# Altium PCB n21-dvt.PcbDoc (part 1 of 3) (continued)
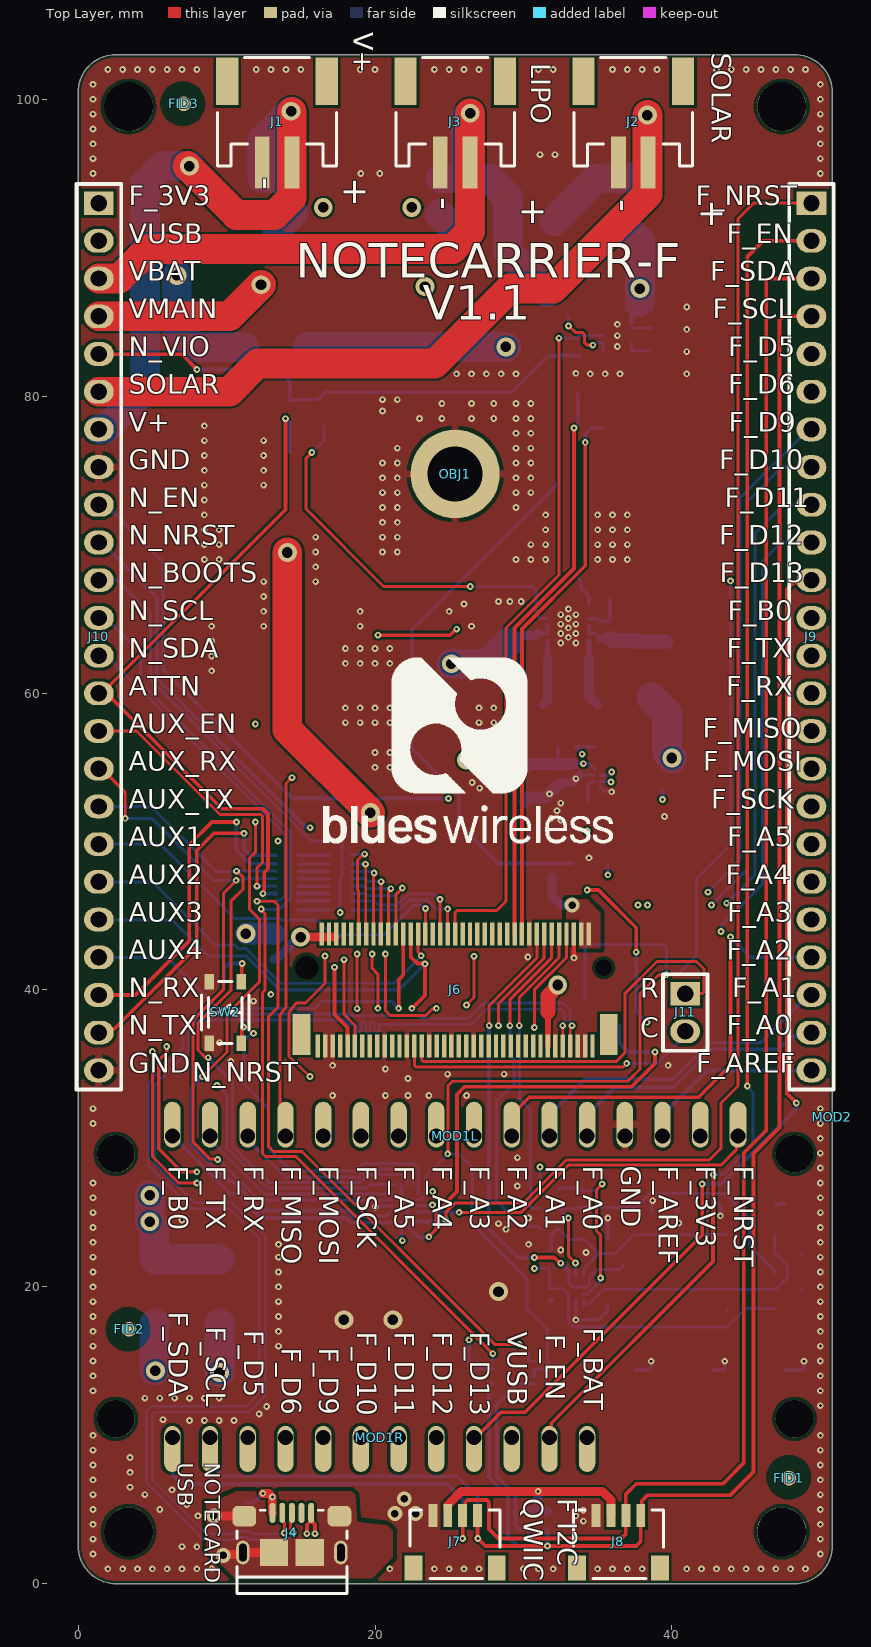
[diagram p0: Top Layer view]
## Part data (continued)
J9: library part SIDECON, "24x1 0.1\" pitch half height female header", Supplier Part Number 1=SAM1085-24-ND, PN=DNM, Supplier 1=Digi-Key
J10: library part SIDECON_N, "24x1 0.1\" pitch half height female header", Supplier Part Number 1=SAM1085-24-ND, PN=DNM, Supplier 1=Digi-Key
J11: "0,1\" 2 PIN Header"
L1: "Power inductor, shielded, 20% tol, SMT, RoHS, halogen free", Manufacturer 1=Coilcraft, Package=None, Availability=Unavailable, Manufacturer Part Number 1=XFL4020-222MEC, MF="{'manufacturer': u'Coilcraft'}", Price=None
L2: library part VCHA042A-1R5MS6, "Fixed Ind 1.5UH 7.3A 15.4 Mohm", Manufacturer=Cyntec, Supplier Part Number 1=2037-VCHA042A-1R5MS6CT-ND, Category="Fixed Inductors", Manufacturer Part Number=VCHA042A-1R5MS6, Pricing 1="1=1.40000, 10=1.29600, 25=1.19640, 50=0.99680, 100=0.93710, 250=0.83736, 500=0.71776, 1000=0.63800 (USD)", RoHS=Yes, Stock 1=1541, Supplier 1=Digi-Key
L3: "Inductor Power Shielded Wirewound 2.2uH 20% 1MHz Metal 1.2A 0.204Ohm DCR 0806 T/R", Case Code (Imperial)=0805, Case Code (Metric)=2012, Current Rating=1.5A, DC Resistance (DCR)=204mR, Inductance=2.2uH, Manufacturer=Murata, Manufacturer Part Number=1285AS-H-2R2M=P2, Max DC Current=1.2A, Max Operating Temperature=85°C, Min Operating Temperature=-40°C, Resistor Type="Wirewound,Metal Alloy", Supplier Part Number 1=490-10600-1-ND, Test Frequency=1MHz, Tolerance=20%, Case/Package=0805, Category="Fixed Inductors", ComponentLink1Description=http://www.toko.co.jp/products/pdf/inductors/dfe201610c.pdf?src-supplier=Avnet, ComponentLink1URL=http://www.toko.co.jp/products/pdf/inductors/dfe201610c.pdf?src-supplier=Avnet, ComponentLink2Description=https://www.murata.com/~/media/webrenewal/products/inductor/chip/tokoproducts/wirewoundmetalalloychiptype/m_dfe201610c.ashx?src-supplier=Digi-Key, ComponentLink2URL=https://www.murata.com/~/media/webrenewal/products/inductor/chip/tokoproducts/wirewoundmetalalloychiptype/m_dfe201610c.ashx?src-supplier=Digi-Key, Core Material=Ferrite, Depth=1.6mm, Height - Seated (Max)=0.039inch, Length=0.079inch, Mount="Surface Mount", Packaging="Tape and Reel", Pricing 1="1=0.40000, 10=0.35300, 25=0.30920, 50=0.26500, 100=0.24280, 250=0.22076, 500=0.20752, 1000=0.15895 (USD)", RoHS=Yes, RoHS Compliant=Yes, Shielding=Shielded, Stock 1=2212, Supplier 1=Digi-Key, Width=0.063inch
MOD1L: library part SOCKET_LFB_16, "Socket 16-Pin, 0.100 in"
MOD1R: library part SOCKET_LFB_12, "Socket 12-Pin, 0.100 in"
MOD2: library part ADAFRUIT_FEATHER_COMMON_1, "Typical Adafruit Feather Pinout"
OBJ1: library part "DISTANZIALE - M2.5x0250", "DISTANZ. CIL. METALLO 5.1X2.5 9774025151R W.E SMT", Supplier Part Number 1=732-7078-1-ND, Caratteristiche=M2.5, Database=44635, Distributor=FAE, Famiglia=MECCANICA, Modello=DISTANZIALE, PCB Footprint=DIST-WASMSIM0250, Pkg Type=SMD, Price Distributor Cad=0,6225, Supplier 1=Digi-Key
R1: library part CRGP0402F10K, "RES 10K OHM 1% 1/8W 0402", Device Package="0402 (1005 Metric)", Manufacturer="TE Connectivity Passive Product", Operating Temperature="-55°C ~ 155°C", Power (Watts)="0.125W, 1/8W", Supplier Device Package=0402, Supplier Part Number 1=A130367CT-ND, Temperature Coefficient=±100ppm/°C, Tolerance=±1%, ComponentLink1Description=Datasheet, ComponentLink1URL=https://www.te.com/commerce/DocumentDelivery/DDEController?Action=srchrtrv&DocNm=9-1773463-9&DocType=DS&DocLang=English, ComponentLink2Description="DigiKey Link", ComponentLink2URL=https://www.digikey.com/en/products/detail/te-connectivity-passive-product/CRGP0402F10K/8576969, Composition="Thick Film", Features="Pulse Withstanding", Height - Seated (Max)="0.016\" (0.40mm)", LastUpdated="3/13/2022 5:31:04 AM", Lifecycle Status=Active, Minimum Order=1, Number of Terminations=2, Package / Case="0402 (1005 Metric)", Packaging=TapeAndReel, Part Number=CRGP0402F10K, Part Status=Active, PartId=6238, Price=0.01, Resistance="10 kOhms", Series=CRGP, Size / Dimension="0.043\" L x 0.020\" W (1.10mm x 0.50mm)", Supplier 1=DigiKey
R2 R4 R11 R12: library part RC1005F103CS, "Res Thick Film 0402 10K Ohm 1% 1/16W ±100ppm/°C Molded SMD SMD T/R", Case Code (Imperial)=0402, Case Code (Metric)=1005, Manufacturer=Samsung, Max Operating Temperature=155°C, Max Power Dissipation=63mW, Min Operating Temperature=-55°C, Package Quantity=1, Resistance=10kR, Resistor Type="Thick Film", Supplier Part Number 1=1276-3431-2-ND, Temperature Coefficient=100ppm/°C, Tolerance=1%, Case/Package=0402, Category="Chip SMD Resistors", ComponentLink1Description=https://datasheet.ciiva.com/15196/getdatasheetpartid-504789-15196214.pdf?src-supplier=Verical, ComponentLink1URL=https://datasheet.ciiva.com/15196/getdatasheetpartid-504789-15196214.pdf?src-supplier=Verical, ComponentLink2Description=https://datasheet.ciiva.com/16481/rcseries-16481007.pdf?src-supplier=Future+Electronics, ComponentLink2URL=https://datasheet.ciiva.com/16481/rcseries-16481007.pdf?src-supplier=Future+Electronics, Construction=Rectangular, Contact Plating=Tin, Depth=0.5mm, Features="Moisture Resistant", Height=0.016inch, Length=0.039inch, Manufacturer Part Number=RC1005F103CS, Military Standard=Not, Mount="Surface Mount", Number of Terminations=2, Packaging="Tape and Reel", Power Rating=63mW, Pricing 1="10000=0.00695 (USD)", Radiation Hardening=No, RoHS=Yes, RoHS Compliant=Yes, Series=RC, Size Code=0402, Stock 1=58620569, Supplier 1=Digi-Key, Width=0.02inch
R3: library part RC0402FR-07470RL, "Res Thick Film 0402 470 Ohm 1% 0.063W(1/16W) ±100ppm/C Pad SMD T/R", Case Code (Imperial)=0402, Case Code (Metric)=1005, Manufacturer=Yageo, Max Operating Temperature=155°C, Max Power Dissipation=63mW, Min Operating Temperature=-55°C, Package Quantity=1, Power Rating=62.5mW, Resistance Tolerance=1%, Resistor Type="Thick Film", Supplier Part Number 1=311-470LRTR-ND, Temperature Coefficient=100ppm/°C, Voltage Rating=50V, Case/Package=0402, Category="Chip SMD Resistors", ComponentLink1Description=https://datasheet.ciiva.com/2453/pyu-r-int-thick-7-2453376.pdf?src-supplier=Digi-Key, ComponentLink1URL=https://datasheet.ciiva.com/2453/pyu-r-int-thick-7-2453376.pdf?src-supplier=Digi-Key, ComponentLink2Description=https://datasheet.ciiva.com/2453/pyu-r-int-thick-7-2453377.pdf?src-supplier=Digi-Key, ComponentLink2URL=https://datasheet.ciiva.com/2453/pyu-r-int-thick-7-2453377.pdf?src-supplier=Digi-Key, ComponentLink3Description=https://datasheet.ciiva.com/2453/pyu-r-int-thick-7-2453378.pdf?src-supplier=Digi-Key, ComponentLink3URL=https://datasheet.ciiva.com/2453/pyu-r-int-thick-7-2453378.pdf?src-supplier=Digi-Key, ComponentLink4Description=https://datasheet.ciiva.com/15189/getdatasheetpartid-330246-15189463.pdf?src-supplier=Verical, ComponentLink4URL=https://datasheet.ciiva.com/15189/getdatasheetpartid-330246-15189463.pdf?src-supplier=Verical, ComponentLink5Description=https://datasheet.ciiva.com/46412/1018594-46412838.pdf?src-supplier=Element14, ComponentLink5URL=https://datasheet.ciiva.com/46412/1018594-46412838.pdf?src-supplier=Element14, ComponentLink6Description=https://datasheet.ciiva.com/7850/1018594-7850014.pdf?src-supplier=Element14, ComponentLink6URL=https://datasheet.ciiva.com/7850/1018594-7850014.pdf?src-supplier=Element14, ComponentLink7Description=https://datasheet.ciiva.com/7850/1018594-7850015.pdf?src-supplier=Element14, ComponentLink7URL=https://datasheet.ciiva.com/7850/1018594-7850015.pdf?src-supplier=Element14, Construction=Rectangular, Depth=0.5mm, Features="Moisture Resistant", Height=0.016inch, Lead Free="Lead Free", Length=1mm, Manufacturer Part Number=RC0402FR-07470RL, Military Standard=Not, Number of Terminations=2, Packaging="Tape and Reel", Pricing 1="10000=0.00186 (USD)", REACH SVHC=Unknown, Resistance=470R, RoHS=Yes, RoHS Compliant=Yes, Series=RC, Size Code=0402, Stock 1=4221525, Supplier 1=Digi-Key, Termination=SMD/SMT, Tolerance=1%, Width=0.02inch
R5: library part RC1206FR-071ML, "Res Thick Film 1206 1M Ohm 1% 0.25W(1/4W) ±100ppm/C Pad SMD T/R", Case Code (Imperial)=1206, Case Code (Metric)=3216, Manufacturer=Yageo, Max Operating Temperature=155°C, Max Power Dissipation=250mW, Min Operating Temperature=-55°C, Package Quantity=5000, Resistance=1MR, Resistance Tolerance=1%, Resistor Type="Thick Film", Supplier Part Number 1=311-1.00MFRTR-ND, Temperature Coefficient=100ppm/°C, Voltage Rating=200V, Case/Package=1206, Category="Chip SMD Resistors", ComponentLink1Description=https://datasheet.ciiva.com/11819/0900766b80c6630a-11819912.pdf?src-supplier=RSComponents, ComponentLink1URL=https://datasheet.ciiva.com/11819/0900766b80c6630a-11819912.pdf?src-supplier=RSComponents, ComponentLink2Description=https://datasheet.ciiva.com/17033/pyu-rc1206-51-rohs-l-4-17033611.pdf?src-supplier=Future+Electronics, ComponentLink2URL=https://datasheet.ciiva.com/17033/pyu-rc1206-51-rohs-l-4-17033611.pdf?src-supplier=Future+Electronics, ComponentLink3Description=https://datasheet.ciiva.com/7857/444357-7857288.pdf?src-supplier=Element14, ComponentLink3URL=https://datasheet.ciiva.com/7857/444357-7857288.pdf?src-supplier=Element14, ComponentLink4Description=https://datasheet.ciiva.com/7857/444357-7857289.pdf?src-supplier=Element14, ComponentLink4URL=https://datasheet.ciiva.com/7857/444357-7857289.pdf?src-supplier=Element14, ComponentLink5Description=https://datasheet.ciiva.com/46445/444357-46445709.pdf?src-supplier=Element14, ComponentLink5URL=https://datasheet.ciiva.com/46445/444357-46445709.pdf?src-supplier=Element14, Construction=Rectangular, Depth=1.6mm, Features="Moisture Resistant", Height=0.55mm, Lead Free="Lead Free", Length=3.1mm, Manufacturer Part Number=RC1206FR-071ML, Military Standard=Not, Number of Terminations=2, Packaging="Tape and Reel", Power Rating=250mW, Pricing 1="5000=0.00970 (USD)", REACH SVHC=Unknown, RoHS=Yes, RoHS Compliant=Yes, Series=RC, Size Code=1206, Stock 1=1941274, Supplier 1=Digi-Key, Technology="THICK FILM", Termination=SMD/SMT, Tolerance=1%, Width=1.6mm
R6: library part PFR05S-153-FNH, "Res SMD 15 Kohm 1% 1/16W 0402", Manufacturer=Cyntec, Supplier Part Number 1=2037-PFR05S-153-FNHCT-ND, Category="Chip SMD Resistors", Manufacturer Part Number=PFR05S-153-FNH, Pricing 1="1=0.10000, 10=0.01500, 100=0.00590, 1000=0.00265, 2500=0.00230, 5000=0.00190 (USD)", RoHS=Yes, RoHS Compliant=Yes, Stock 1=3928, Supplier 1=Digi-Key
R7 R8 R9: library part RC0402FR-0722RL, "Res Thick Film 0402 22 Ohm 1% 0.063W(1/16W) ±100ppm/C Pad SMD T/R", Case Code (Imperial)=0402, Case Code (Metric)=1005, Manufacturer=Yageo, Max Operating Temperature=155°C, Max Power Dissipation=63mW, Min Operating Temperature=-55°C, Resistance Tolerance=1%, Resistor Type="Thick Film", Supplier Part Number 1=311-22.0LRCT-ND, Temperature Coefficient=100ppm/°C, Voltage Rating=50V, Case/Package=0402, Category="Chip SMD Resistors", ComponentLink1Description=https://datasheet.ciiva.com/11819/0900766b80c66297-11819462.pdf?src-supplier=RSComponents, ComponentLink1URL=https://datasheet.ciiva.com/11819/0900766b80c66297-11819462.pdf?src-supplier=RSComponents, ComponentLink2Description=https://datasheet.ciiva.com/16930/pyu-rc0402-51-rohs-l-6-r-16930687.pdf?src-supplier=Future+Electronics, ComponentLink2URL=https://datasheet.ciiva.com/16930/pyu-rc0402-51-rohs-l-6-r-16930687.pdf?src-supplier=Future+Electronics, ComponentLink3Description=https://datasheet.ciiva.com/7849/1018594-7849911.pdf?src-supplier=Element14, ComponentLink3URL=https://datasheet.ciiva.com/7849/1018594-7849911.pdf?src-supplier=Element14, ComponentLink4Description=https://datasheet.ciiva.com/7849/1018594-7849912.pdf?src-supplier=Element14, ComponentLink4URL=https://datasheet.ciiva.com/7849/1018594-7849912.pdf?src-supplier=Element14, ComponentLink5Description=https://datasheet.ciiva.com/26829/getdatasheetpartid-554995-26829991.pdf?src-supplier=Verical, ComponentLink5URL=https://datasheet.ciiva.com/26829/getdatasheetpartid-554995-26829991.pdf?src-supplier=Verical, Construction=Rectangular, Depth=0.5mm, Features="Moisture Resistant", Height=0.32mm, Lead Free="Lead Free", Length=1mm, Manufacturer Part Number=RC0402FR-0722RL, Military Standard=Not, Number of Pins=2, Number of Terminations=2, Packaging="Tape and Reel", Power Rating=63mW, Pricing 1="1=0.10000, 10=0.01600, 100=0.00660, 1000=0.00299, 2500=0.00259, 5000=0.00214 (USD)", REACH SVHC=Unknown, Resistance=22R, RoHS=Yes, RoHS Compliant=Yes, Series=RC, Size Code=0402, Stock 1=1796, Supplier 1=Digi-Key, Technology="THICK FILM", Termination=SMD/SMT, Tolerance=1%, Voltage Rating (DC)=50V, Width=0.5mm
R13: library part AC0402FR-071M1L, "Res Thick Film 0402 1.1M Ohm 1% 0.063W(1/16W) ±100ppm/C Pad SMD Automotive T/R", Case Code (Imperial)=0402, Case Code (Metric)=1005, Manufacturer=Yageo, Max Operating Temperature=155°C, Max Power Dissipation=63mW, Min Operating Temperature=-55°C, Power Rating=62.5mW, Resistance=1.1MR, Resistor Type="Thick Film", Supplier Part Number 1=YAG5647CT-ND, Temperature Coefficient=100ppm/°C, Tolerance=1%, Voltage Rating=50V, Case/Package=0402, Category="Chip SMD Resistors", ComponentLink1Description=http://www.mouser.com/ds/2/447/yageodocoutput-1111992.pdf?src-supplier=Mouser, ComponentLink1URL=http://www.mouser.com/ds/2/447/yageodocoutput-1111992.pdf?src-supplier=Mouser, ComponentLink2Description=http://www.yageo.com/NewPortal/yageodocoutput?fileName=/pdf/R-Chip/PYu-AC_51_RoHS_L_6.pdf&src-supplier=Digi-Key, ComponentLink2URL=http://www.yageo.com/NewPortal/yageodocoutput?fileName=/pdf/R-Chip/PYu-AC_51_RoHS_L_6.pdf&src-supplier=Digi-Key, Features="Moisture Resistant,Automotive AEC-Q200", Height=0.015inch, Length=0.039inch, Manufacturer Part Number=AC0402FR-071M1L, Number of Terminations=2, Packaging="Tape and Reel", Pricing 1="1=0.10000, 10=0.02200, 100=0.00900, 1000=0.00402, 2500=0.00349, 5000=0.00288 (USD)", RoHS=Yes, RoHS Compliant=Yes, Series=AC, Stock 1=15284, Supplier 1=Digi-Key, Termination=SMD/SMT, Width=0.5mm
R14: library part RC0402FR-07180KL, "Res Thick Film 0402 180K Ohm 1% 1/16W +/-100ppm/ßC Molded SMD Paper T/R", Case Code (Imperial)=0402, Case Code (Metric)=1005, Manufacturer=Yageo, Max Operating Temperature=155°C, Max Power Dissipation=63mW, Min Operating Temperature=-55°C, Resistance=180kR, Resistance Tolerance=1%, Resistor Type="Thick Film", Supplier Part Number 1=311-180KLRTR-ND, Temperature Coefficient=100ppm/°C, Voltage Rating=50V, Case/Package=0402, Category="Chip SMD Resistors", ComponentLink1Description=https://datasheet.ciiva.com/12656/pyu-rc0402-51-rohs-l-6-r-12656911.pdf?src-supplier=Mouser, ComponentLink1URL=https://datasheet.ciiva.com/12656/pyu-rc0402-51-rohs-l-6-r-12656911.pdf?src-supplier=Mouser, ComponentLink2Description=https://datasheet.ciiva.com/17025/pyu-rc0402-51-rohs-l-6-r-17025693.pdf?src-supplier=Future+Electronics, ComponentLink2URL=https://datasheet.ciiva.com/17025/pyu-rc0402-51-rohs-l-6-r-17025693.pdf?src-supplier=Future+Electronics, ComponentLink3Description=https://datasheet.ciiva.com/7849/1018594-7849851.pdf?src-supplier=Element14, ComponentLink3URL=https://datasheet.ciiva.com/7849/1018594-7849851.pdf?src-supplier=Element14, ComponentLink4Description=https://datasheet.ciiva.com/7849/1018594-7849852.pdf?src-supplier=Element14, ComponentLink4URL=https://datasheet.ciiva.com/7849/1018594-7849852.pdf?src-supplier=Element14, ComponentLink5Description=https://datasheet.ciiva.com/7983/1018594-7983497.pdf?src-supplier=Element14, ComponentLink5URL=https://datasheet.ciiva.com/7983/1018594-7983497.pdf?src-supplier=Element14, Construction=Rectangular, Depth=0.5mm, Features="Moisture Resistant", Lead Free="Lead Free", Length=1mm, Manufacturer Part Number=RC0402FR-07180KL, Military Standard=Not, Number of Terminations=2, Packaging="Tape and Reel", Power Rating=63mW, Pricing 1="10000=0.00186 (USD)", REACH SVHC=Unknown, RoHS=Yes, RoHS Compliant=Yes, Series=RC, Size Code=0402, Stock 1=959378, Supplier 1=Digi-Key, Termination=SMD/SMT, Tolerance=1%
R16: library part RC0402JR-0710ML, "RES 10M OHM 5% 1/16W 0402", Device Package="0402 (1005 Metric)", Manufacturer=Yageo, Operating Temperature="-55°C ~ 155°C", Power (Watts)="0.063W, 1/16W", Supplier Device Package=0402, Supplier Part Number 1=311-10MJRCT-ND, Temperature Coefficient=±100ppm/°C, Tolerance=±5%, ComponentLink1Description=Datasheet, ComponentLink1URL=https://www.yageo.com/upload/media/product/productsearch/datasheet/rchip/PYu-RC_Group_51_RoHS_L_10.pdf, ComponentLink2Description="DigiKey Link", ComponentLink2URL=https://www.digikey.com/en/products/detail/yageo/RC0402JR-0710ML/2827649, Composition="Thick Film", Features="Moisture Resistant", Height - Seated (Max)="0.016\" (0.40mm)", LastUpdated="3/13/2022 5:31:07 AM", Lifecycle Status=Active, Minimum Order=1, Number of Terminations=2, Package / Case="0402 (1005 Metric)", Packaging=CutTape, Part Number=RC0402JR-0710ML, Part Status=Active, PartId=4818, Price=0.01, Resistance="10 MOhms", Series=RC_L, Size / Dimension="0.039\" L x 0.020\" W (1.00mm x 0.50mm)", Supplier 1=DigiKey
R17: library part RMCF0402FT82K0, "RES 82K OHM 1% 1/16W 0402", Device Package="0402 (1005 Metric)", Manufacturer="Stackpole Electronics Inc", Operating Temperature="-55°C ~ 155°C", Power (Watts)="0.063W, 1/16W", Ratings=AEC-Q200, Supplier Device Package=0402, Supplier Part Number 1=RMCF0402FT82K0CT-ND, Temperature Coefficient=±100ppm/°C, Tolerance=±1%, ComponentLink1Description=Datasheet, ComponentLink1URL=https://www.seielect.com/catalog/sei-rmcf_rmcp.pdf, ComponentLink2Description="DigiKey Link", ComponentLink2URL=https://www.digikey.com/en/products/detail/stackpole-electronics-inc/RMCF0402FT82K0/1761664, Composition="Thick Film", Features="Automotive AEC-Q200", Height - Seated (Max)="0.016\" (0.40mm)", LastUpdated="3/13/2022 5:30:53 AM", Lifecycle Status=Active, Minimum Order=1, Number of Terminations=2, Package / Case="0402 (1005 Metric)", Packaging=CutTape, Part Number=RMCF0402FT82K0, Part Status=Active, PartId=9283, Price=0.01, Resistance="82 kOhms", Series=RMCF, Size / Dimension="0.039\" L x 0.020\" W (1.00mm x 0.50mm)", Supplier 1=DigiKey
RR1 RR2: "RES ARRAY 8 RES 100 OHM 1506", Manufacturer="CTS Resistor Products", Number of Resistors=8, Operating Temperature="-55°C ~ 125°C", Package / Case="1506, Convex, Long Side Terminals", Power Per Element=62.5mW, Resistance (Ohms)=100, Supplier Part Number 1=741X163101JPCT-ND, Temperature Coefficient=±200ppm/°C, Tolerance=±5%, Circuit Type=Isolated, ComponentLink1Description=Datasheet, ComponentLink1URL=https://www.ctscorp.com/wp-content/uploads/74x.pdf, ComponentLink2Description="DigiKey Link", ComponentLink2URL=http://digikey.com/product-detail/en/cts-resistor-products/741X163101JP/741X163101JPCT-ND/1124597, Height - Seated (Max)="0.022\" (0.55mm)", LastUpdated="9/2/2020 1:23:29 AM", Lifecycle Status=Active, Minimum Order=1, Mounting Type="Surface Mount", Number of Pins=16, Packaging=TapeAndReel, Part Number=741X163101JP, Part Status=Active, PartId=627, Price=0.07, Series=741, Size / Dimension="0.156\" L x 0.063\" W (3.95mm x 1.60mm)", Supplier 1=DigiKey
SW1 SW4 SW5: "Switch Slide N.O./N.C. SPDT Raised Slide 0.1A 24VDC J-Hook SMD Embossed T/R", Current Rating=100mA, Manufacturer="Nidec Copal", Max Operating Temperature=85°C, Max Voltage Rating (DC)=24V, Min Operating Temperature=-40°C, Supplier Part Number 1=563-1021-6-ND, Voltage Rating (DC)=6V, Actuator Type="Slide (Standard)", Body Material=Polyphenylene, Category="Slide Switches", ComponentLink1Description=https://datasheet.ciiva.com/2864/cjs-2864476.pdf?src-supplier=Digi-Key, ComponentLink1URL=https://datasheet.ciiva.com/2864/cjs-2864476.pdf?src-supplier=Digi-Key, ComponentLink2Description=https://datasheet.ciiva.com/2864/cjs-2864477.pdf?src-supplier=Digi-Key, ComponentLink2URL=https://datasheet.ciiva.com/2864/cjs-2864477.pdf?src-supplier=Digi-Key, ComponentLink3Description=https://datasheet.ciiva.com/2864/cjs-2864478.pdf?src-supplier=Digi-Key, ComponentLink3URL=https://datasheet.ciiva.com/2864/cjs-2864478.pdf?src-supplier=Digi-Key, Contact Material="Copper Alloy", Contact Plating=Gold, Electrical Life=200Cycles, Lead Free="Lead Free", Length=0.212inch, Manufacturer Part Number=CJS-1200TA, Mount="Surface Mount", Number of Positions=2, Orientation=Vertical, Packaging="Tape and Reel", Pricing 1="1=0.81000, 10=0.78400, 25=0.75440, 100=0.65470, 250=0.59736, 500=0.55510 (USD)", Radiation Hardening=No, RoHS=Yes, RoHS Compliant=Yes, Series=CJS, Supplier 1=Digi-Key, Termination=J-Hook, Throw Configuration=SPDT, Washable=Yes
SW2: "PTS810 Series SPST Off-MOM 0.05 A 16 V Top Actuated SMT Tactile Switch", Case/Package=SMD/SMT, Color=White, Current Rating=50mA, Manufacturer="ITT C&K", Max Operating Temperature=85°C, Min Operating Temperature=-40°C, Operating Force=260gf, Package Quantity=2900, Supplier Part Number 1=CKN10503CT-ND, Voltage Rating (DC)=16V, Actuator Type=Standard, Category="Tactile Switches", ComponentLink1Description=https://datasheet.ciiva.com/18514/pts810-4mar13-18514061.pdf?src-supplier=Digi-Key, ComponentLink1URL=https://datasheet.ciiva.com/18514/pts810-4mar13-18514061.pdf?src-supplier=Digi-Key, ComponentLink2Description=https://datasheet.ciiva.com/18514/pts810-4mar13-18514062.pdf?src-supplier=Digi-Key, ComponentLink2URL=https://datasheet.ciiva.com/18514/pts810-4mar13-18514062.pdf?src-supplier=Digi-Key, ComponentLink3Description=https://datasheet.ciiva.com/18514/pts810-4mar13-18514063.pdf?src-supplier=Digi-Key, ComponentLink3URL=https://datasheet.ciiva.com/18514/pts810-4mar13-18514063.pdf?src-supplier=Digi-Key, Contact Plating=Silver, Depth=4.6mm, Illumination Type=Non-Illuminated, Lead Free="Lead Free", Length=3.2mm, Manufacturer Part Number=PTS810SJK250SMTRLFS, Max Current Rating=50mA, Mechanical Life=50000Cycles, Mount="Surface Mount", Orientation=Straight, Packaging="Tape and Reel", Pricing 1="1=0.34000, 10=0.32600, 25=0.30880, 100=0.27980, 250=0.25504, 500=0.23706, 1000=0.20223 (USD)", RoHS=Yes, RoHS Compliant=Yes, Stock 1=57, Supplier 1=Digi-Key, Switch Function=Off-Mom, Switch Travel=0.15mm, Termination=J-Bend, Throw Configuration=SPST
TVS1: library part "TVS-UNI - SM6T6V8A - 6.8V/600W", "DIODO TVS TRANSIL UNIDIR. 600W 6.8V SM6T6V8A SMB SMT", Supplier Part Number 1=6871072, Caratteristiche=57A/6.8V/600W, Database=14165, Distributor=FAE, Famiglia=PROTEZIONE, Modello=TVS, Note=Unidirezionale, PCB Footprint=SMB, Pkg Type=SMD, Price Distributor Cad=0,0348, ROOM=INPUT, Supplier 1=RSComponents
TVS2: "PESD Series 25 W 5 V Uni-Directional Fivefold ESD Protection Diode Array SOT-666", Manufacturer=Nexperia, Supplier Part Number 1=1727-5797-1-ND, Category="ESD and Circuit Protection ICs", Manufacturer Part Number=PESD5V0L5UV,125, Pricing 1="1=0.42000, 10=0.31700, 100=0.19770, 500=0.13528, 1000=0.10406, 2000=0.09366 (USD)", RoHS=Yes, RoHS Compliant=Yes, Stock 1=4000, Supplier 1=Digi-Key
U1: "Conv DC-DC 2.15V to 5.5V Step Down Single-Out 1.2V/1.8V 0.3A 8-Pin DSBGA T/R", Manufacturer="Texas Instruments", Max Input Voltage=5.5V, Max Operating Temperature=125°C, Max Output Current=300mA, Max Output Voltage=1.8V, Min Input Voltage=2.15V, Min Operating Temperature=-40°C, Output Voltage=1.2V, Quiescent Current=360nA, Switching Frequency=1.2MHz, Category="Power Supply Modules", ComponentLink1Description=http://www.ti.com/general/docs/lit/getliterature.tsp?genericPartNumber=TPS62748&&fileType=pdf&src-supplier=Element14, ComponentLink1URL=http://www.ti.com/general/docs/lit/getliterature.tsp?genericPartNumber=TPS62748&&fileType=pdf&src-supplier=Element14, ComponentLink2Description=http://www.ti.com/general/docs/lit/getliterature.tsp?genericPartNumber=TPS62748&&fileType=pdf&src-supplier=Farnell, ComponentLink2URL=http://www.ti.com/general/docs/lit/getliterature.tsp?genericPartNumber=TPS62748&&fileType=pdf&src-supplier=Farnell, ComponentLink3Description=http://www.ti.com/lit/ds/symlink/tps62748.pdf?src-supplier=Digi-Key, ComponentLink3URL=http://www.ti.com/lit/ds/symlink/tps62748.pdf?src-supplier=Digi-Key, ComponentLink4Description=http://www.ti.com/general/docs/suppproductinfo.tsp?distId=10&amp;gotoUrl=http%3A%2F%2Fwww.ti.com%2Flit%2Fgpn%2Ftps62748&src-supplier=Digi-Key, ComponentLink4URL=http://www.ti.com/general/docs/suppproductinfo.tsp?distId=10&amp;gotoUrl=http%3A%2F%2Fwww.ti.com%2Flit%2Fgpn%2Ftps62748&src-supplier=Digi-Key, ComponentLink5Description=http://www.ti.com/general/docs/lit/getliterature.tsp?genericPartNumber=TPS62748&&fileType=pdf&src-supplier=Avnet, ComponentLink5URL=http://www.ti.com/general/docs/lit/getliterature.tsp?genericPartNumber=TPS62748&&fileType=pdf&src-supplier=Avnet, Efficiency=90%, Lead Free="Lead Free", Manufacturer Part Number=TPS62748YFPT, Min Output Voltage=1.8V, Mount="Surface Mount", Number of Outputs=1, Number of Pins=8, Operating Supply Voltage=5.5V, Output Configuration=Positive, Output Current=300mA, Packaging="Cut Tape", Pricing 1="1=1.24500, 100=1.02900, 250=0.73900, 1000=0.55600 (USD)", REACH SVHC="No SVHC", RoHS=Yes, RoHS Compliant=Yes, Supplier 1="TI store", Supplier Part Number 1=TPS62748YFPT, Synchronous Rectifier=Yes
U2: library part "BAT-CHARGE - BQ24210DQCT", "INTEGRATO BQ24210DQCT WSON10 TEXAS SMT", Supplier Part Number 1=296-28738-1-ND, Temp Range=-40°..+85°, Caratteristiche=LITIO, Database=47785, Distributor=FAE, Famiglia=INTEGRATO, Modello=CARICABATTERIA, MPN=BQ24210DQCT, Note="Vin=20V - Ichg=800mA", PCB Footprint=WSON10-EXP, Pkg Type=SMD, Price Distributor Cad=1,2778, ROOM="SOLAR BATTERY CHARGER", Supplier 1=Digi-Key
U3: library part "BUCK-BOOST - TPS63020DSJR", "I.C. DC/DC CONVERTER TPS63020DSJR TEXAS VSON14 SMT", Supplier Part Number 1=296-36491-1-ND, Temp Range=-40°..+85°, Caratteristiche=ADJmA/ADJ, Database=42016, Distributor=FAE, Famiglia=INTEGRATO, Modello=BUCK, MPN=TPS63020DSJR, Note="VDD=1V8 - 5V5 - Fsw=2.4MHz - Isw=3.5A", PCB Footprint=IC-TPS6302x, Pkg Type=SMD, Price Distributor Cad=1,2277, ROOM=BUCK-BOOST, Supplier 1=Digi-Key
U4: "2-Bit Bidirectional Voltage-Level Shifter for Open-Drain and Push-Pull Application 8-VSSOP -40 to 85", Case/Package=VSSOP, High Level Output Current=-20uA, Low Level Output Current=1mA, Manufacturer="Texas Instruments", Max Operating Temperature=85°C, Max Supply Voltage=5.5V, Min Operating Temperature=-40°C, Min Supply Voltage=1.65V, Nominal Supply Current=14.4uA, Output Current=1A, Package Quantity=1, Supplier Part Number 1=296-21931-6-ND, Category="Voltage Level Shifters", ComponentLink1Description=https://datasheet.ciiva.com/22653/1846850-22653373.pdf?src-supplier=Farnell, ComponentLink1URL=https://datasheet.ciiva.com/22653/1846850-22653373.pdf?src-supplier=Farnell, ComponentLink2Description=https://datasheet.ciiva.com/15096/getdatasheetpartid-118249-15096172.pdf?src-supplier=Verical, ComponentLink2URL=https://datasheet.ciiva.com/15096/getdatasheetpartid-118249-15096172.pdf?src-supplier=Verical, ComponentLink3Description=https://datasheet.ciiva.com/1508/1857232-1508821.pdf?src-supplier=Element14, ComponentLink3URL=https://datasheet.ciiva.com/1508/1857232-1508821.pdf?src-supplier=Element14, ComponentLink4Description=https://datasheet.ciiva.com/28499/1863639-28499676.pdf?src-supplier=Element14, ComponentLink4URL=https://datasheet.ciiva.com/28499/1863639-28499676.pdf?src-supplier=Element14, ComponentLink5Description=https://datasheet.ciiva.com/46395/1863639-46395871.pdf?src-supplier=Element14, ComponentLink5URL=https://datasheet.ciiva.com/46395/1863639-46395871.pdf?src-supplier=Element14, ComponentLink6Description=https://datasheet.ciiva.com/1899/txs0102-1899369.pdf?src-supplier=Digi-Key, ComponentLink6URL=https://datasheet.ciiva.com/1899/txs0102-1899369.pdf?src-supplier=Digi-Key, ComponentLink7Description=https://datasheet.ciiva.com/1899/txs0102-1899368.pdf?src-supplier=Digi-Key, ComponentLink7URL=https://datasheet.ciiva.com/1899/txs0102-1899368.pdf?src-supplier=Digi-Key, ComponentLink8Description=https://datasheet.ciiva.com/1899/txs0102-1899370.pdf?src-supplier=Digi-Key, ComponentLink8URL=https://datasheet.ciiva.com/1899/txs0102-1899370.pdf?src-supplier=Digi-Key, ComponentLink9Description=https://datasheet.ciiva.com/14287/txs0102-14287516.pdf?src-supplier=Avnet, ComponentLink9URL=https://datasheet.ciiva.com/14287/txs0102-14287516.pdf?src-supplier=Avnet, ComponentLink10Description=https://datasheet.ciiva.com/14287/txs0102-14287518.pdf?src-supplier=Avnet, ComponentLink10URL=https://datasheet.ciiva.com/14287/txs0102-14287518.pdf?src-supplier=Avnet, Data Rate=24Mbps, Lead Free="Lead Free", Logic Function=Translator, Manufacturer Part Number=TXS0102DCUR, Number of Bits=2, Number of Channels=2, Number of Inputs=2, Number of Pins=8, Output Type=Voltage, Packaging="Tape and Reel", Pricing 1="1=0.80000, 10=0.70000, 25=0.65720, 100=0.53640, 250=0.49820, 500=0.42400, 1000=0.35000 (USD)", Propagation Delay=4.6ns, Quiescent Current=14.4uA, Radiation Hardening=No, REACH SVHC="No SVHC", RoHS=Yes, RoHS Compliant=Yes, Supplier 1=Digi-Key, Turn-On Delay Time=260ns, Weight=0.000339oz
U5: "nanoPower Boost Converter that Extends Battery Life and Reduces Solution Size", Manufacturer=Maxim, Supplier Part Number 1="MAX17225ELT+ -ND", Category="Power Supply Modules", ComponentLink1Description=https://datasheets.maximintegrated.com/en/ds/MAX17220-MAX17225.pdf?src-supplier=Digi-Key, ComponentLink1URL=https://datasheets.maximintegrated.com/en/ds/MAX17220-MAX17225.pdf?src-supplier=Digi-Key, Manufacturer Part Number=MAX17225ELT+, Mount="Surface Mount", Number of Pins=6, Packaging=Bulk, RoHS=Yes, Supplier 1=Digi-Key
U6: "Analog Switch Quad SPDT Automotive 16-Pin Mini-QFN T/R", Manufacturer=Vishay, Max Operating Temperature=125°C, Min Operating Temperature=-40°C, On-State Resistance=500mR, -3db Bandwidth=338MHz, Category="Interface ICs", ComponentLink1Description=http://www.vishay.com/docs/75683/dgq2788a.pdf?src-supplier=Digi-Key, ComponentLink1URL=http://www.vishay.com/docs/75683/dgq2788a.pdf?src-supplier=Digi-Key, Manufacturer Part Number=DGQ2788AEN-T1-GE4, Number of Circuits=2, Number of Pins=16, Packaging="Tape and Reel", Pricing 1="1=1.03770, 10=0.89200, 25=0.88310, 100=0.69780, 250=0.68760 (USD)", RoHS=Yes, RoHS Compliant=Yes, Stock 1=341, Supplier 1="Arrow Electronics", Supplier Part Number 1=DGQ2788AEN-T1-GE4

## Free pads (board coordinates)
  round 3.3 hole 3.3 unplated: 1(3.4,99.5) 2(47.4,99.5) 3(47.4,3.5) 4(3.4,3.5)
  round 2.54 hole 2.54 unplated: 5(2.54,11.11) 5(2.54,28.96) 5(48.26,11.11) 5(48.26,28.96)

## Via types
v1: diameter 0.45, hole 0.2, Top Layer to Bottom Layer, tented both sides, 477 vias
v2: diameter 1.27, hole 0.711, Top Layer to Bottom Layer, tented both sides, 25 vias
v3: diameter 0.45, hole 0.2, Top Layer to Bottom Layer, 10 vias
v4: diameter 1, hole 0.5, Top Layer to Bottom Layer, tented both sides, 6 vias
v5: diameter 1.27, hole 0.71, Top Layer to Bottom Layer, tented both sides, 1 vias

## Nets (pads, with @x,y where several pads share a name; then routed paths per layer and width w, separated by ;. In a path a pad name is that pad's centre, name@x,y a point inside that pad or via, vN(x,y) a via of type N, cw(c..) or ccw(c..) an arc to the next point about the centre after c; other vN are vias at no path point)
1V8: C14.2 C15.2 C20.2 C21.1 L1.2 L3.1 U1.C2 U5.5 U5.6 | length 1.6
  Bottom Layer w0.25: C20.2@34.349,52.705 34.349,53.796 34.614,54.062 34.777,54.062 U1.C2@34.779,54.064
ATTN_P: J6.54 RR2.14 | length 7
  Top Layer w0.2: J6.54@21.4,43.775 21.4,46.419 v1(21.844,46.863)
  Bottom Layer w0.2: RR2.14@18.403,46.494 19.318,46.494 19.468,46.344 21.325,46.344 v1(21.844,46.863)
AUX_EN_P: J6.56 RR2.13 | length 5.9
  Top Layer w0.2: J6.56@20.9,43.775 20.9,46.582 21.07,46.751 v1(21.07,46.819)
  Bottom Layer w0.2: RR2.13@18.403,46.994 19.313,46.994 19.488,46.819 v1(21.07,46.819)
AUX_RX_P: J6.58 RR2.12 | length 5.6
  Top Layer w0.2: J6.58@20.414,43.789 v1(20.414,47.294)
  Bottom Layer w0.2: RR2.12@18.403,47.494 19.308,47.494 19.508,47.294 v1(20.414,47.294)
AUX_TX_P: J6.60 RR2.11 | length 5.7
  Top Layer w0.2: J6.60@19.9,43.775 19.9,47.84 v1(19.939,47.879)
  Bottom Layer w0.2: RR2.11@18.403,47.994 19.756,47.994 19.871,47.879 v1(19.939,47.879)
CTX: J6.49 J11.2 | length 20.8
  Top Layer w0.2: J6.49@22.65,36.225 22.65,34.915 22.767,34.798 36.703,34.798 v3(36.957,35.052)
  Bottom Layer w0.2: v3(36.957,35.052) 38.989,35.052 40.343,36.406 40.343,36.481 40.894,37.032 J11.2@40.894,37.211